# Allegro board buddy_lay_rev1.brd (continued)
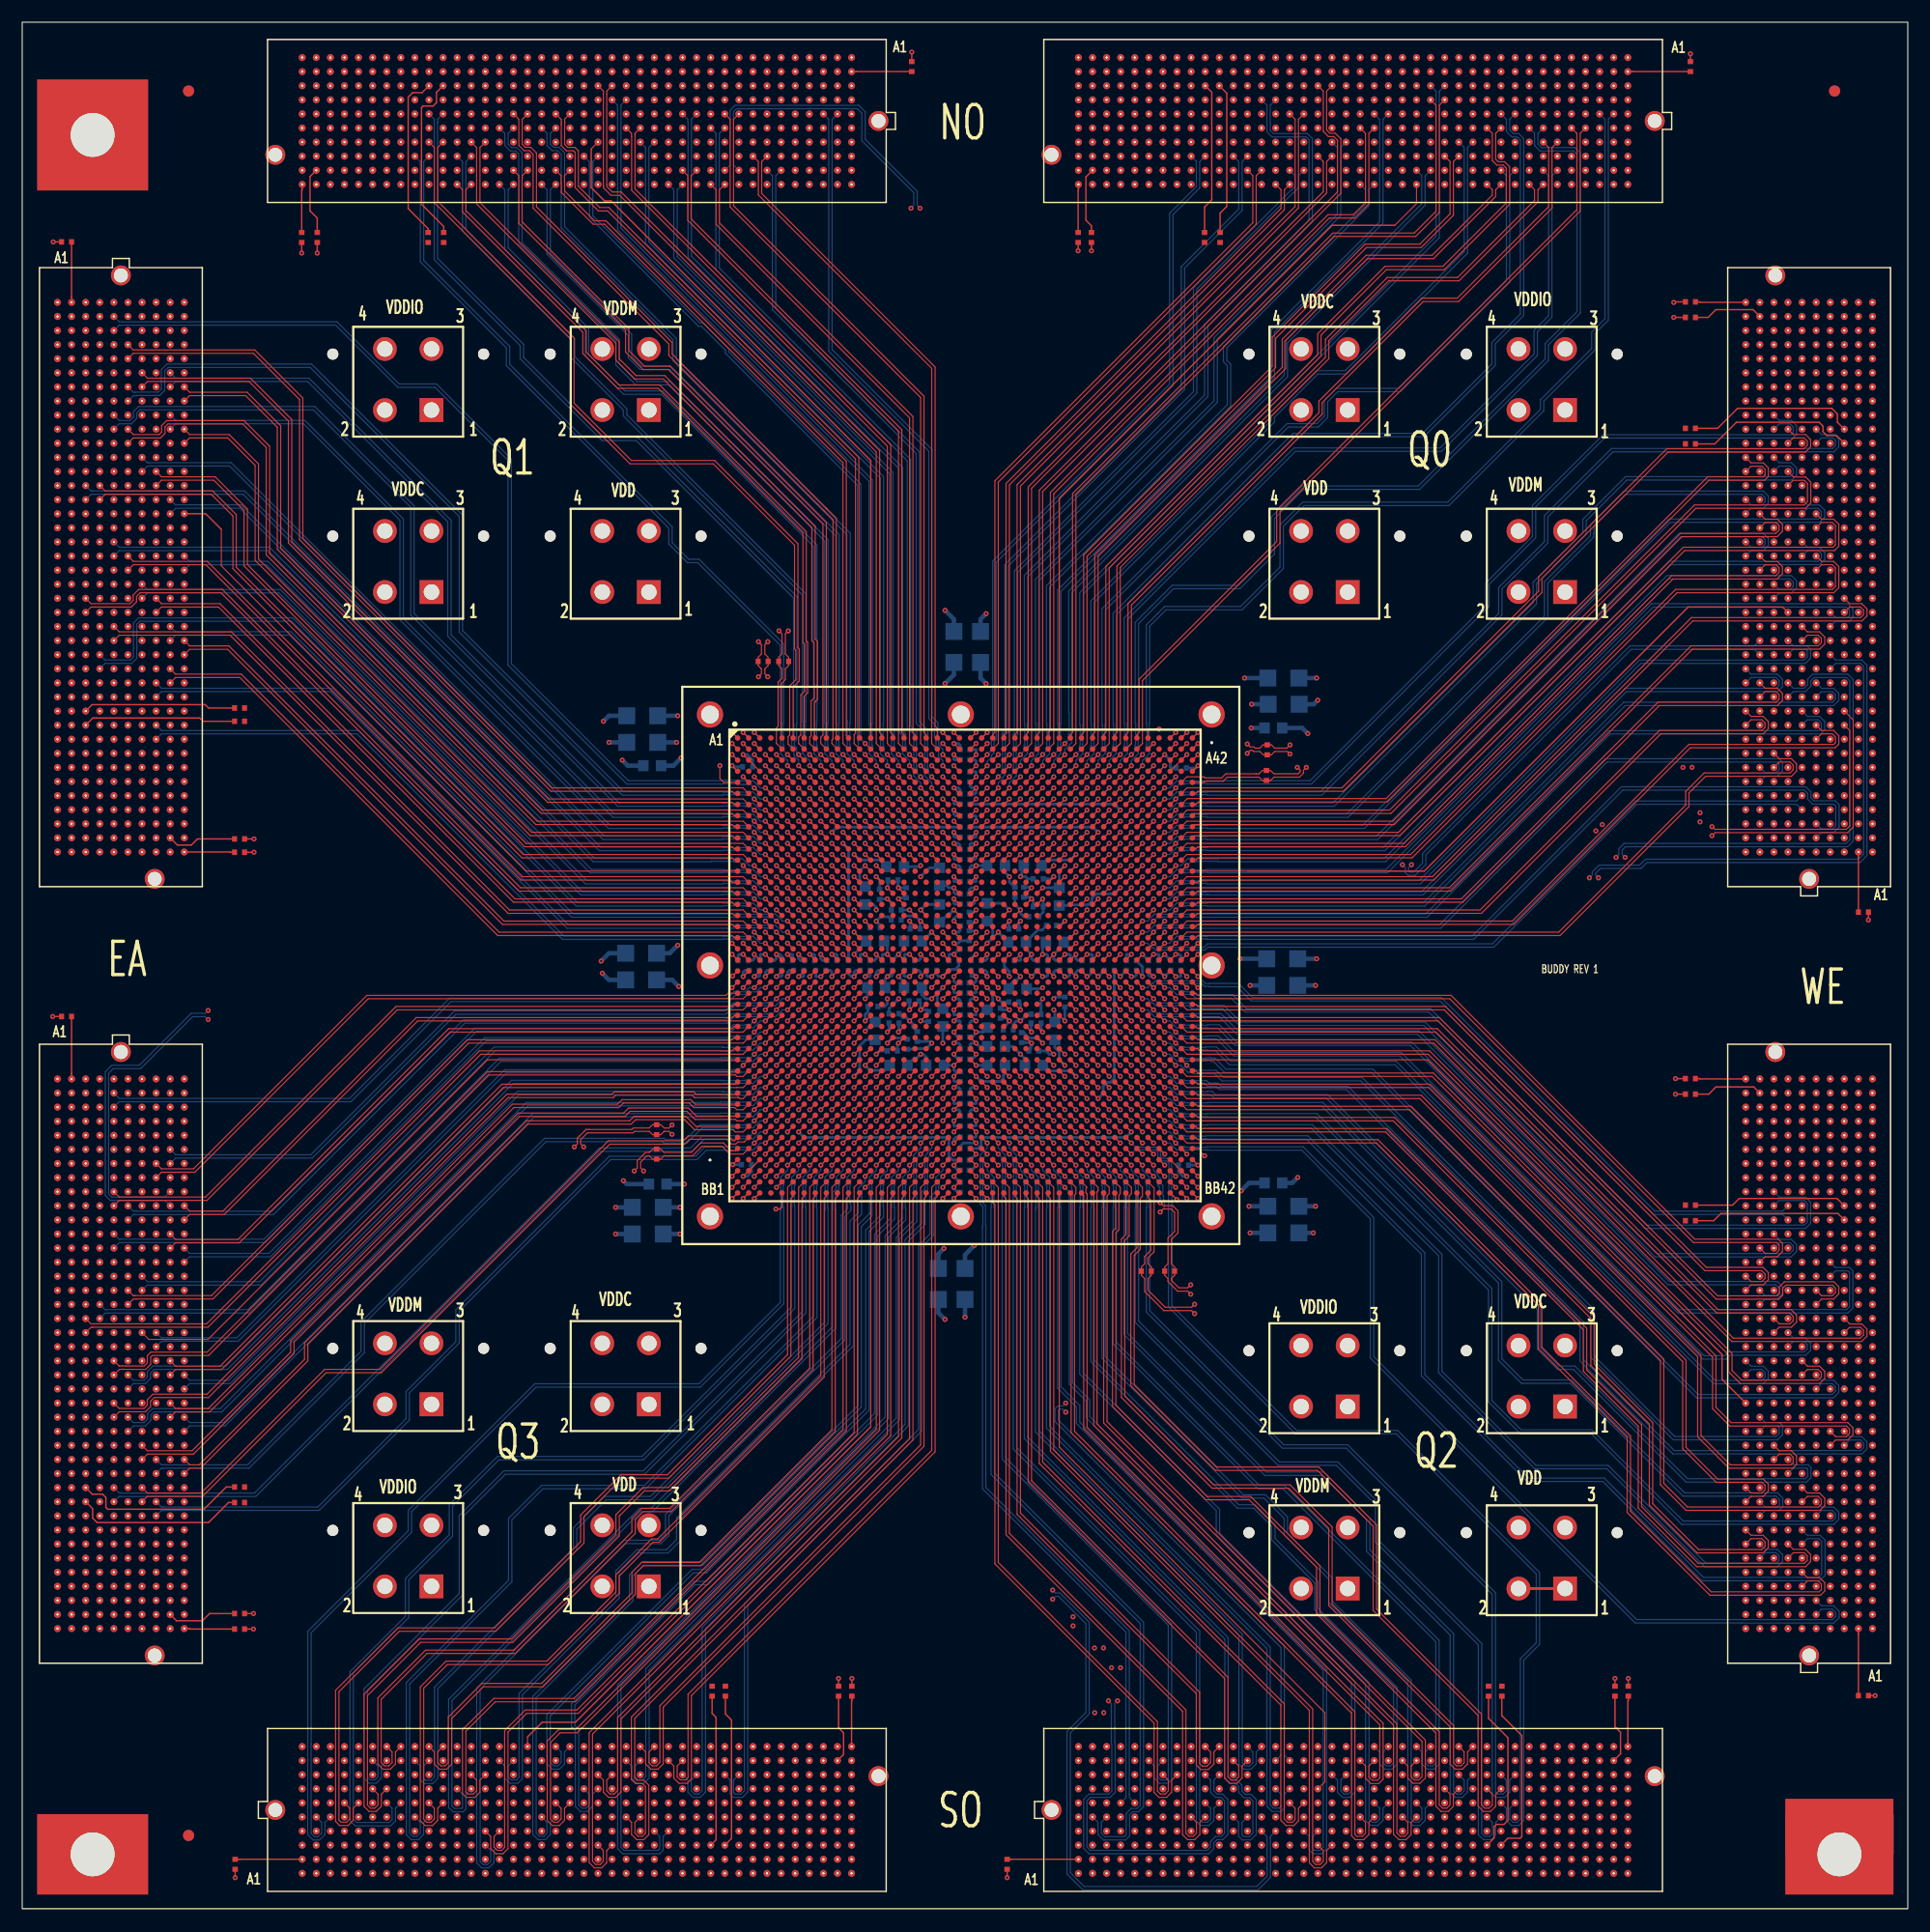
[diagram p0: board, top side]
## Routing (per net, layer and track width the routed paths; a pad name or vN(x,y) marks a point on that pad's centre or on a via; arc(x,y) is an arc through that point) (continued)
; 54.45,5.72 53.98,5.72 ; 54.45,5.72 54.93,5.72 ; 54.45,5.72 54.45,5.25 ; J8.A32 3.19,105.86 ; J8.A32 3.66,105.39 ; J8.A32 2.71,105.39 ; J8.A32 3.19,104.91 ; 139.68,9.54 140.15,9.54 ; 139.68,9.54 139.68,10.01 ; 139.68,9.54 139.68,9.06 ; 139.68,9.54 139.2,9.54 ; 12.07,29.85 J7.H36 ; J7.H36 12.07,30.8 ; J7.H36 12.55,30.32 ; J7.H36 11.6,30.32 ; 9.06,45.56 J7.F24 ; J7.F24 10.01,45.56 ; J7.F24 9.54,46.04 ; J7.F24 9.54,45.09 ; J8.D2 7,143.96 ; J8.D2 7.47,143.49 ; J8.D2 6.52,143.49 ; J8.D2 7,143.01 ; 157.93,34.93 J4.H9 ; J4.H9 157.45,35.4 ; J4.H9 158.4,35.4 ; J4.H9 157.93,35.88 ; 48.9,13.35 J6.J20 ; J6.J20 49.37,13.82 ; J6.J20 49.37,12.87 ; J6.J20 49.85,13.35 ; 164.28,74.3 J4.C40 ; J4.C40 163.8,74.77 ; J4.C40 164.28,75.25 ; J4.C40 164.75,74.77 ; 143.01,9.54 143.49,9.54 ; 143.49,9.54 143.96,9.54 ; 143.49,9.54 143.49,9.06 ; 143.49,9.54 143.49,10.01 ; 53.18,159.99 J1.F18 ; J1.F18 53.66,160.47 ; J1.F18 52.71,160.47 ; J1.F18 53.18,160.94 ; 11.6,104.12 J8.H33 ; J8.H33 12.07,104.59 ; J8.H33 12.07,103.64 ; J8.H33 12.55,104.12 ; J18.1 56.5,46.69 ; J18.1 57.74,45.45 ; J18.1 56.5,44.21 ; J18.1 55.26,45.45 ; 120.15,5.72 120.63,5.72 ; 120.63,5.72 120.63,6.2 ; 120.63,5.72 121.1,5.72 ; 120.63,5.72 120.63,5.25 ; 105.39,161.74 105.39,162.21 ; 105.39,161.74 105.86,161.74 ; 105.39,161.74 104.91,161.74 ; 105.39,161.74 105.39,161.26 ; J4.B27 165.54,58.74 ; J4.B27 165.07,58.26 ; J4.B27 166.02,58.26 ; J4.B27 165.54,57.79 ; J3.G4 159.67,99.04 ; J3.G4 158.72,99.04 ; J3.G4 159.19,99.51 ; J3.G4 159.19,98.56 ; J11.2 32.7,119.89 ; J11.2 33.94,118.65 ; J11.2 31.46,118.65 ; J11.2 32.7,117.41 ; 107.93,154.91 J2.K30 ; J2.K30 107.45,155.38 ; J2.K30 107.93,155.86 ; J2.K30 108.4,155.38 ; J3.C4 164.75,99.04 ; J3.C4 163.8,99.04 ; J3.C4 164.28,99.51 ; J3.C4 164.28,98.56 ; 46.83,161.74 47.31,161.74 ; 46.83,161.74 46.36,161.74 ; 46.83,161.74 46.83,161.26 ; 46.83,161.74 46.83,162.21 ; 56.99,159.99 J1.F15 ; J1.F15 56.52,160.47 ; J1.F15 56.99,160.94 ; J1.F15 57.47,160.47 ; 163.8,95.23 J3.C1 ; J3.C1 164.28,94.75 ; J3.C1 164.75,95.23 ; J3.C1 164.28,95.7 ; 60.33,10.8 J6.G29 ; J6.G29 61.28,10.8 ; J6.G29 60.8,11.28 ; J6.G29 60.8,10.33 ; J1.B10 63.82,165.54 ; J1.B10 63.34,166.02 ; J1.B10 63.34,165.07 ; J1.B10 62.87,165.54 ; 161.26,45.56 161.74,45.56 ; 161.74,45.56 162.21,45.56 ; 161.74,45.56 161.74,45.09 ; 161.74,45.56 161.74,46.04 ; J2.C21 119.36,164.75 ; J2.C21 119.36,163.8 ; J2.C21 119.83,164.28 ; J2.C21 118.88,164.28 ; J3.J20 157.13,119.36 ; J3.J20 156.66,118.88 ; J3.J20 156.66,119.83 ; J3.J20 156.18,119.36 ; J8.D28 7.47,110.47 ; J8.D28 7,110.94 ; J8.D28 7,109.99 ; J8.D28 6.52,110.47 ; 115.55,5.72 116.02,5.72 ; 115.55,5.72 115.07,5.72 ; 115.55,5.72 115.55,5.25 ; 115.55,5.72 115.55,6.2 ; J4.F3 160.94,27.78 ; J4.F3 160.47,28.26 ; J4.F3 160.47,27.31 ; J4.F3 159.99,27.78 ; 130.79,12.87 J5.J29 ; J5.J29 130.31,13.35 ; J5.J29 131.26,13.35 ; J5.J29 130.79,13.82 ; 100.31,5.72 100.78,5.72 ; 100.31,5.72 100.31,6.2 ; 100.31,5.72 99.83,5.72 ; 100.31,5.72 100.31,5.25 ; J1.B30 38.42,165.54 ; J1.B30 37.94,165.07 ; J1.B30 37.47,165.54 ; J1.B30 37.94,166.02 ; J7.A36 3.66,30.32 ; J7.A36 2.71,30.32 ; J7.A36 3.19,30.8 ; J7.A36 3.19,29.85 ; 32.7,27.81 J19.2 ; J19.2 33.94,29.05 ; J19.2 32.7,30.29 ; J19.2 31.46,29.05 ; 114.06,135.05 J13.2 ; J13.2 115.3,133.81 ; J13.2 116.54,135.05 ; J13.2 115.3,136.29 ; J7.G23 11.28,46.83 ; J7.G23 10.8,46.36 ; J7.G23 10.8,47.31 ; J7.G23 10.33,46.83 ; 5.25,74.77 5.72,74.77 ; 5.72,74.77 5.72,75.25 ; 5.72,74.77 5.72,74.3 ; 5.72,74.77 6.2,74.77 ; 156.18,130.79 J3.J29 ; J3.J29 156.66,130.31 ; J3.J29 156.66,131.26 ; J3.J29 157.13,130.79 ; J1.D7 67.15,163.48 ; J1.D7 66.68,163 ; J1.D7 67.63,163 ; J1.D7 67.15,162.53 ; 74.3,164.28 J1.C1 ; J1.C1 74.77,164.75 ; J1.C1 75.25,164.28 ; J1.C1 74.77,163.8 ; J6.H2 26.99,12.07 ; J6.H2 26.51,12.55 ; J6.H2 26.51,11.6 ; J6.H2 26.04,12.07 ; 155.38,96.02 J3.K2 ; J3.K2 155.86,96.5 ; J3.K2 155.38,96.97 ; J3.K2 154.91,96.5 ; J3.C20 164.75,119.36 ; J3.C20 163.8,119.36 ; J3.C20 164.28,118.88 ; J3.C20 164.28,119.83 ; J2.A28 110.47,167.29 ; J2.A28 109.99,166.81 ; J2.A28 110.47,166.34 ; J2.A28 110.94,166.81 ; J7.K30 14.62,38.42 ; J7.K30 14.62,37.47 ; J7.K30 14.14,37.94 ; J7.K30 15.09,37.94 ; J2.G40 95.23,159.67 ; J2.G40 95.7,159.19 ; J2.G40 94.75,159.19 ; J2.G40 95.23,158.72 ; J2.K18 123.64,155.38 ; J2.K18 123.17,154.91 ; J2.K18 123.17,155.86 ; J2.K18 122.69,155.38 ; 161.74,53.18 162.21,53.18 ; 161.74,53.18 161.74,52.71 ; 161.74,53.18 161.74,53.66 ; 161.74,53.18 161.26,53.18 ; 12.07,33.66 J7.H33 ; J7.H33 11.6,34.13 ; J7.H33 12.55,34.13 ; J7.H33 12.07,34.61 ; 27.31,7 J6.D3 ; J6.D3 28.26,7 ; J6.D3 27.78,6.52 ; J6.D3 27.78,7.47 ; 24.77,3.19 25.24,3.19 ; 25.24,3.19 25.24,3.66 ; 25.24,3.19 25.72,3.19 ; 25.24,3.19 25.24,2.71 ; 5.72,109.2 5.72,109.67 ; 5.72,109.2 5.25,109.2 ; 5.72,109.2 5.72,108.72 ; 5.72,109.2 6.2,109.2 ; J3.B27 165.54,128.72 ; J3.B27 165.07,128.25 ; J3.B27 166.02,128.25 ; J3.B27 165.54,127.77 ; J4.G29 159.67,60.8 ; J4.G29 158.72,60.8 ; J4.G29 159.19,60.33 ; J4.G29 159.19,61.28 ; 165.07,63.34 J4.B31 ; J4.B31 165.54,63.82 ; J4.B31 166.02,63.34 ; J4.B31 165.54,62.87 ; J7.H30 12.07,38.42 ; J7.H30 12.55,37.94 ; J7.H30 12.07,37.47 ; J7.H30 11.6,37.94 ; J5.D6 102.05,7 ; J5.D6 101.58,7.47 ; J5.D6 101.58,6.52 ; J5.D6 101.1,7 ; 166.34,29.05 J4.A4 ; J4.A4 166.81,28.58 ; J4.A4 167.29,29.05 ; J4.A4 166.81,29.53 ; 139.1,117.41 J16.1 ; J16.1 140.34,118.65 ; J16.1 137.86,118.65 ; J16.1 139.1,119.89 ; 3.19,124.44 3.19,124.91 ; 3.19,124.44 3.66,124.44 ; 3.19,124.44 3.19,123.96 ; 3.19,124.44 2.71,124.44 ; J8.E11 8.27,132.53 ; J8.E11 8.74,132.06 ; J8.E11 7.79,132.06 ; J8.E11 8.27,131.58 ; J1.F21 49.37,160.94 ; J1.F21 49.37,159.99 ; J1.F21 49.85,160.47 ; J1.F21 48.9,160.47 ; J8.K12 14.62,131.26 ; J8.K12 14.62,130.31 ; J8.K12 14.14,130.79 ; J8.K12 15.09,130.79 ; 29.85,13.35 30.32,13.35 ; 30.32,13.35 30.32,12.87 ; 30.32,13.35 30.8,13.35 ; 30.32,13.35 30.32,13.82 ; J5.D22 121.9,7.47 ; J5.D22 121.9,6.52 ; J5.D22 122.37,7 ; J5.D22 121.42,7 ; J3.F2 160.94,96.5 ; J3.F2 159.99,96.5 ; J3.F2 160.47,96.02 ; J3.F2 160.47,96.97 ; 73.5,7 73.98,7 ; 73.5,7 73.5,7.47 ; 73.5,7 73.5,6.52 ; 73.5,7 73.03,7 ; 43.02,165.07 J1.B26 ; J1.B26 42.55,165.54 ; J1.B26 43.02,166.02 ; J1.B26 43.5,165.54 ; J2.D2 143.96,163 ; J2.D2 143.01,163 ; J2.D2 143.49,162.53 ; J2.D2 143.49,163.48 ; J4.C25 164.75,55.72 ; J4.C25 164.28,55.25 ; J4.C25 164.28,56.2 ; J4.C25 163.8,55.72 ; 159.99,43.02 J4.F15 ; J4.F15 160.47,42.55 ; J4.F15 160.94,43.02 ; J4.F15 160.47,43.5 ; J9.1 38.14,135.05 ; J9.1 36.9,133.81 ; J9.1 36.9,136.29 ; J9.1 35.66,135.05 ; J5.K3 98.24,14.62 ; J5.K3 97.77,14.14 ; J5.K3 97.77,15.09 ; J5.K3 97.29,14.62 ; 134.9,117.41 J16.2 ; J16.2 136.14,118.65 ; J16.2 134.9,119.89 ; J16.2 133.66,118.65 ; 46.36,159.19 J1.G23 ; J1.G23 46.83,158.72 ; J1.G23 47.31,159.19 ; J1.G23 46.83,159.67 ; 35.4,3.19 35.88,3.19 ; 35.4,3.19 35.4,3.66 ; 35.4,3.19 34.93,3.19 ; 35.4,3.19 35.4,2.71 ; 100.31,157.45 J2.H36 ; J2.H36 99.83,157.93 ; J2.H36 100.78,157.93 ; J2.H36 100.31,158.4 ; J4.G20 159.19,49.85 ; J4.G20 159.67,49.37 ; J4.G20 159.19,48.9 ; J4.G20 158.72,49.37 ; 163.8,29.05 J4.C4 ; J4.C4 164.75,29.05 ; J4.C4 164.28,28.58 ; J4.C4 164.28,29.53 ; 161.74,34.13 161.74,34.61 ; 161.74,34.13 161.74,33.66 ; 161.74,34.13 161.26,34.13 ; 161.74,34.13 162.21,34.13 ; J2.F9 135.07,160.47 ; J2.F9 134.6,160.94 ; J2.F9 134.6,159.99 ; J2.F9 134.12,160.47 ; 3.19,115.55 3.19,116.02 ; 3.19,115.55 3.66,115.55 ; 3.19,115.55 3.19,115.07 ; 3.19,115.55 2.71,115.55 ; J4.K21 155.38,51.12 ; J4.K21 155.86,50.64 ; J4.K21 155.38,50.17 ; J4.K21 154.91,50.64 ; J8.B31 4.46,107.13 ; J8.B31 4.93,106.66 ; J8.B31 4.46,106.18 ; J8.B31 3.98,106.66 ; J4.J11 157.13,37.94 ; J4.J11 156.66,38.42 ; J4.J11 156.18,37.94 ; J4.J11 156.66,37.47 ; 163,26.04 J4.D2 ; J4.D2 162.53,26.51 ; J4.D2 163,26.99 ; J4.D2 163.48,26.51 ; 9.54,118.88 J8.F21 ; J8.F21 9.06,119.36 ; J8.F21 10.01,119.36 ; J8.F21 9.54,119.83 ; J8.D10 7.47,133.33 ; J8.D10 6.52,133.33 ; J8.D10 7,133.8 ; J8.D10 7,132.85 ; 141.74,155.38 J2.K3 ; J2.K3 142.22,154.91 ; J2.K3 142.22,155.86 ; J2.K3 142.69,155.38 ; J2.J1 144.76,157.13 ; J2.J1 144.76,156.18 ; J2.J1 145.23,156.66 ; J2.J1 144.28,156.66 ; 2.71,134.6 3.19,134.6 ; 3.19,134.6 3.19,134.12 ; 3.19,134.6 3.66,134.6 ; 3.19,134.6 3.19,135.07 ; J4.A17 166.81,46.04 ; J4.A17 166.81,45.09 ; J4.A17 166.34,45.56 ; J4.A17 167.29,45.56 ; 10.33,50.64 J7.G20 ; J7.G20 10.8,50.17 ; J7.G20 10.8,51.12 ; J7.G20 11.28,50.64 ; 4.46,26.51 4.93,26.51 ; 4.46,26.51 4.46,26.99 ; 4.46,26.51 4.46,26.04 ; 4.46,26.51 3.98,26.51 ; J5.H18 117.29,12.07 ; J5.H18 116.34,12.07 ; J5.H18 116.82,12.55 ; J5.H18 116.82,11.6 ; 104.91,3.19 105.39,3.19 ; 105.39,3.19 105.39,2.71 ; 105.39,3.19 105.86,3.19 ; 105.39,3.19 105.39,3.66 ; 105.39,14.14 J5.K9 ; J5.K9 105.86,14.62 ; J5.K9 105.39,15.09 ; J5.K9 104.91,14.62 ; 47.63,4.46 J6.B19 ; J6.B19 48.1,4.93 ; J6.B19 48.58,4.46 ; J6.B19 48.1,3.98 ; 166.81,109.99 J3.A13 ; J3.A13 167.29,110.47 ; J3.A13 166.34,110.47 ; J3.A13 166.81,110.94 ; J8.G38 11.28,97.77 ; J8.G38 10.8,98.24 ; J8.G38 10.8,97.29 ; J8.G38 10.33,97.77 ; J1.J17 54.45,157.13 ; J1.J17 53.98,156.66 ; J1.J17 54.45,156.18 ; J1.J17 54.93,156.66 ; 110.47,5.72 110.47,6.2 ; 110.47,5.72 110.94,5.72 ; 110.47,5.72 110.47,5.25 ; 110.47,5.72 109.99,5.72 ; 99.04,3.19 99.51,3.19 ; 99.04,3.19 99.04,3.66 ; 99.04,3.19 98.56,3.19 ; 99.04,3.19 99.04,2.71 ; J7.J29 13.35,39.69 ; J7.J29 13.82,39.21 ; J7.J29 13.35,38.74 ; J7.J29 12.87,39.21 ; 135.87,158.72 J2.G8 ; J2.G8 136.34,159.19 ; J2.G8 135.87,159.67 ; J2.G8 135.39,159.19 ; 27.31,4.46 J6.B3 ; J6.B3 27.78,4.93 ; J6.B3 28.26,4.46 ; J6.B3 27.78,3.98 ; 68.42,154.91 J1.K6 ; J1.K6 68.9,155.38 ; J1.K6 68.42,155.86 ; J1.K6 67.95,155.38 ; 126.98,12.87 J5.J26 ; J5.J26 126.98,13.82 ; J5.J26 127.45,13.35 ; J5.J26 126.5,13.35 ; J3.A32 167.29,134.6 ; J3.A32 166.81,135.07 ; J3.A32 166.81,134.12 ; J3.A32 166.34,134.6 ; J5.D2 96.97,7 ; J5.D2 96.5,7.47 ; J5.D2 96.5,6.52 ; J5.D2 96.02,7 ; 130.31,5.72 J5.C29 ; J5.C29 130.79,6.2 ; J5.C29 130.79,5.25 ; J5.C29 131.26,5.72 ; 100.31,163.8 J2.C36 ; J2.C36 99.83,164.28 ; J2.C36 100.78,164.28 ; J2.C36 100.31,164.75 ; J3.A25 167.29,125.71 ; J3.A25 166.34,125.71 ; J3.A25 166.81,125.23 ; J3.A25 166.81,126.18 ; 144.76,158.72 J2.G1 ; J2.G1 144.76,159.67 ; J2.G1 144.28,159.19 ; J2.G1 145.23,159.19 ; J6.D19 48.1,7.47 ; J6.D19 47.63,7 ; J6.D19 48.58,7 ; J6.D19 48.1,6.52 ; J4.D39 163,73.98 ; J4.D39 163,73.03 ; J4.D39 162.53,73.5 ; J4.D39 163.48,73.5 ; 3.19,135.87 3.66,135.87 ; 3.19,135.87 3.19,135.39 ; 3.19,135.87 2.71,135.87 ; 3.19,135.87 3.19,136.34 ; 6.52,125.71 J8.D16 ; J8.D16 7.47,125.71 ; J8.D16 7,126.18 ; J8.D16 7,125.23 ; 25.24,161.74 25.72,161.74 ; 25.24,161.74 25.24,162.21 ; 25.24,161.74 24.77,161.74 ; 25.24,161.74 25.24,161.26 ; 46.36,12.07 J6.H18 ; J6.H18 46.83,12.55 ; J6.H18 46.83,11.6 ; J6.H18 47.31,12.07 ; 29.05,7.79 29.05,8.27 ; 29.05,8.27 28.58,8.27 ; 29.05,8.27 29.05,8.74 ; 29.05,8.27 29.53,8.27 ; 5.72,125.71 5.72,126.18 ; 5.72,125.71 5.72,125.23 ; 5.72,125.71 6.2,125.71 ; 5.72,125.71 5.25,125.71 ; J3.G8 159.67,104.12 ; J3.G8 159.19,103.64 ; J3.G8 159.19,104.59 ; J3.G8 158.72,104.12 ; J4.G35 159.19,68.9 ; J4.G35 159.19,67.95 ; J4.G35 159.67,68.42 ; J4.G35 158.72,68.42 ; 8.27,27.31 J7.E38 ; J7.E38 7.79,27.78 ; J7.E38 8.27,28.26 ; J7.E38 8.74,27.78 ; 161.26,100.31 161.74,100.31 ; 161.74,100.31 161.74,99.83 ; 161.74,100.31 162.21,100.31 ; 161.74,100.31 161.74,100.78 ; J2.H9 135.07,157.93 ; J2.H9 134.6,158.4 ; J2.H9 134.6,157.45 ; J2.H9 134.12,157.93 ; 158.72,53.18 J4.G23 ; J4.G23 159.19,53.66 ; J4.G23 159.67,53.18 ; J4.G23 159.19,52.71 ; J4.H27 157.93,58.74 ; J4.H27 157.93,57.79 ; J4.H27 158.4,58.26 ; J4.H27 157.45,58.26 ; J3.G17 159.19,116.02 ; J3.G17 158.72,115.55 ; J3.G17 159.19,115.07 ; J3.G17 159.67,115.55 ; 166.34,69.69 J4.A36 ; J4.A36 166.81,70.17 ; J4.A36 166.81,69.22 ; J4.A36 167.29,69.69 ; 3.19,103.64 J8.A33 ; J8.A33 3.66,104.12 ; J8.A33 3.19,104.59 ; J8.A33 2.71,104.12 ; 163,125.23 J3.D25 ; J3.D25 162.53,125.71 ; J3.D25 163,126.18 ; J3.D25 163.48,125.71 ; 60.8,163.8 J1.C12 ; J1.C12 61.28,164.28 ; J1.C12 60.33,164.28 ; J1.C12 60.8,164.75 ; J3.A17 166.81,116.02 ; J3.A17 166.34,115.55 ; J3.A17 167.29,115.55 ; J3.A17 166.81,115.07 ; J2.J20 120.63,157.13 ; J2.J20 120.15,156.66 ; J2.J20 121.1,156.66 ; J2.J20 120.63,156.18 ; J7.B10 4.93,63.34 ; J7.B10 4.46,62.87 ; J7.B10 3.98,63.34 ; J7.B10 4.46,63.82 ; 12.87,116.82 J8.J23 ; J8.J23 13.35,116.34 ; J8.J23 13.82,116.82 ; J8.J23 13.35,117.29 ; 2.71,130.79 3.19,130.79 ; 3.19,130.79 3.66,130.79 ; 3.19,130.79 3.19,130.31 ; 3.19,130.79 3.19,131.26 ; J4.D22 163.48,51.91 ; J4.D22 162.53,51.91 ; J4.D22 163,52.39 ; J4.D22 163,51.44 ; J2.B27 111.74,166.02 ; J2.B27 112.21,165.54 ; J2.B27 111.74,165.07 ; J2.B27 111.26,165.54 ; 6.52,51.91 J7.D19 ; J7.D19 7,52.39 ; J7.D19 7.47,51.91 ; J7.D19 7,51.44 ; 27.78,156.18 J1.J38 ; J1.J38 27.78,157.13 ; J1.J38 28.26,156.66 ; J1.J38 27.31,156.66 ; J7.K18 14.62,53.66 ; J7.K18 14.14,53.18 ; J7.K18 15.09,53.18 ; J7.K18 14.62,52.71 ; 56.52,165.54 J1.B15 ; J1.B15 57.47,165.54 ; J1.B15 56.99,166.02 ; J1.B15 56.99,165.07 ; 10.8,65.88 10.8,66.36 ; 10.8,65.88 10.33,65.88 ; 10.8,65.88 11.28,65.88 ; 10.8,65.88 10.8,65.41 ; 3.19,109.2 3.19,109.67 ; 3.19,109.2 3.19,108.72 ; 3.19,109.2 3.66,109.2 ; 3.19,109.2 2.71,109.2 ; J6.E38 72.71,8.27 ; J6.E38 72.23,8.74 ; J6.E38 72.23,7.79 ; J6.E38 71.76,8.27 ; 67.95,165.54 J1.B6 ; J1.B6 68.42,165.07 ; J1.B6 68.42,166.02 ; J1.B6 68.9,165.54 ; 161.74,29.05 162.21,29.05 ; 161.74,29.05 161.26,29.05 ; 161.74,29.05 161.74,28.58 ; 161.74,29.05 161.74,29.53 ; 162.53,31.59 J4.D6 ; J4.D6 163.48,31.59 ; J4.D6 163,32.07 ; J4.D6 163,31.12 ; 5.25,65.88 5.72,65.88 ; 5.72,65.88 5.72,66.36 ; 5.72,65.88 6.2,65.88 ; 5.72,65.88 5.72,65.41 ; 158.72,25.24 J4.G1 ; J4.G1 159.19,24.77 ; J4.G1 159.67,25.24 ; J4.G1 159.19,25.72 ; 9.54,52.71 J7.F18 ; J7.F18 9.06,53.18 ; J7.F18 9.54,53.66 ; J7.F18 10.01,53.18 ; 9.06,56.99 J7.F15 ; J7.F15 9.54,56.52 ; J7.F15 10.01,56.99 ; J7.F15 9.54,57.47 ; 10.8,70.96 10.8,71.44 ; 10.8,70.96 10.8,70.49 ; 10.8,70.96 11.28,70.96 ; 10.8,70.96 10.33,70.96 ; 45.09,164.28 J1.C24 ; J1.C24 45.56,163.8 ; J1.C24 46.04,164.28 ; J1.C24 45.56,164.75 ; 131.58,161.74 132.06,161.74 ; 132.06,161.74 132.06,161.26 ; 132.06,161.74 132.53,161.74 ; 132.06,161.74 132.06,162.21 ; 161.74,130.31 161.74,130.79 ; 161.74,130.79 161.74,131.26 ; 161.74,130.79 162.21,130.79 ; 161.74,130.79 161.26,130.79 ; 100.31,7.79 100.31,8.27 ; 100.31,8.27 100.78,8.27 ; 100.31,8.27 100.31,8.74 ; 100.31,8.27 99.83,8.27 ; 122.69,13.35 J5.J23 ; J5.J23 123.17,12.87 ; J5.J23 123.17,13.82 ; J5.J23 123.64,13.35 ; 165.54,132.85 J3.B31 ; J3.B31 165.54,133.8 ; J3.B31 165.07,133.33 ; J3.B31 166.02,133.33 ; J1.F27 41.75,160.94 ; J1.F27 41.75,159.99 ; J1.F27 41.28,160.47 ; J1.F27 42.23,160.47 ; 58.26,14.14 58.26,14.62 ; 58.26,14.62 58.26,15.09 ; 58.26,14.62 57.79,14.62 ; 58.26,14.62 58.74,14.62 ; 50.17,9.54 J6.F21 ; J6.F21 50.64,9.06 ; J6.F21 51.12,9.54 ; J6.F21 50.64,10.01 ; 53.18,12.87 J6.J23 ; J6.J23 52.71,13.35 ; J6.J23 53.18,13.82 ; J6.J23 53.66,13.35 ; 13.35,61.6 J7.J11 ; J7.J11 13.82,62.07 ; J7.J11 13.35,62.55 ; J7.J11 12.87,62.07 ; 34.13,166.34 J1.A33 ; J1.A33 34.13,167.29 ; J1.A33 33.66,166.81 ; J1.A33 34.61,166.81 ; 120.63,166.34 J2.A20 ; J2.A20 121.1,166.81 ; J2.A20 120.15,166.81 ; J2.A20 120.63,167.29 ; J7.G29 10.8,39.69 ; J7.G29 10.8,38.74 ; J7.G29 11.28,39.21 ; J7.G29 10.33,39.21 ; 53.98,161.74 54.45,161.74 ; 54.45,161.74 54.45,162.21 ; 54.45,161.74 54.93,161.74 ; 54.45,161.74 54.45,161.26 ; J7.D6 7,68.9 ; J7.D6 7,67.95 ; J7.D6 6.52,68.42 ; J7.D6 7.47,68.42 ; 118.88,155.38 J2.K21 ; J2.K21 119.36,155.86 ; J2.K21 119.83,155.38 ; J2.K21 119.36,154.91 ; 47.63,165.54 J1.B22 ; J1.B22 48.1,165.07 ; J1.B22 48.1,166.02 ; J1.B22 48.58,165.54 ; 71.76,10.8 J6.G38 ; J6.G38 72.23,10.33 ; J6.G38 72.71,10.8 ; J6.G38 72.23,11.28 ; J2.G20 121.1,159.19 ; J2.G20 120.63,158.72 ; J2.G20 120.63,159.67 ; J2.G20 120.15,159.19 ; J6.C40 74.77,6.2 ; J6.C40 74.77,5.25 ; J6.C40 75.25,5.72 ; J6.C40 74.3,5.72 ; J4.C16 164.75,44.29 ; J4.C16 164.28,43.82 ; J4.C16 164.28,44.77 ; J4.C16 163.8,44.29 ; 160.47,97.29 J3.F3 ; J3.F3 160.47,98.24 ; J3.F3 159.99,97.77 ; J3.F3 160.94,97.77 ; 12.07,107.45 J8.H30 ; J8.H30 12.55,107.93 ; J8.H30 11.6,107.93 ; J8.H30 12.07,108.4 ; 129.52,2.71 J5.A28 ; J5.A28 129.52,3.66 ; J5.A28 129.99,3.19 ; J5.A28 129.04,3.19 ; 9.54,34.13 10.01,34.13 ; 9.54,34.13 9.06,34.13 ; 9.54,34.13 9.54,33.66 ; 9.54,34.13 9.54,34.61 ; 7,113.8 J8.D25 ; J8.D25 7,114.75 ; J8.D25 6.52,114.28 ; J8.D25 7.47,114.28 ; J7.B18 4.46,53.66 ; J7.B18 4.93,53.18 ; J7.B18 3.98,53.18 ; J7.B18 4.46,52.71 ; 38.74,5.72 39.21,5.72 ; 39.21,5.72 39.69,5.72 ; 39.21,5.72 39.21,5.25 ; 39.21,5.72 39.21,6.2 ; 134.6,10.33 J5.G32 ; J5.G32 134.6,11.28 ; J5.G32 135.07,10.8 ; J5.G32 134.12,10.8 ; 3.98,102.85 4.46,102.85 ; 4.46,102.85 4.46,102.37 ; 4.46,102.85 4.46,103.32 ; 4.46,102.85 4.93,102.85 ; 12.87,101.58 J8.J35 ; J8.J35 13.82,101.58 ; J8.J35 13.35,101.1 ; J8.J35 13.35,102.05 ; 140.95,158.72 J2.G4 ; J2.G4 140.95,159.67 ; J2.G4 140.47,159.19 ; J2.G4 141.42,159.19 ; 11.6,126.98 J8.H15 ; J8.H15 12.07,127.45 ; J8.H15 12.55,126.98 ; J8.H15 12.07,126.5 ; 45.56,3.19 45.56,3.66 ; 45.56,3.19 45.09,3.19 ; 45.56,3.19 46.04,3.19 ; 45.56,3.19 45.56,2.71 ; 10.8,31.12 J7.G35 ; J7.G35 10.8,32.07 ; J7.G35 10.33,31.59 ; J7.G35 11.28,31.59 ; J3.D19 163,118.56 ; J3.D19 162.53,118.09 ; J3.D19 163.48,118.09 ; J3.D19 163,117.61 ; 165.54,56.52 J4.B26 ; J4.B26 166.02,56.99 ; J4.B26 165.54,57.47 ; J4.B26 165.07,56.99 ; 29.85,157.93 J1.H36 ; J1.H36 30.32,157.45 ; J1.H36 30.32,158.4 ; J1.H36 30.8,157.93 ; 3.19,114.28 3.66,114.28 ; 3.19,114.28 2.71,114.28 ; 3.19,114.28 3.19,114.75 ; 3.19,114.28 3.19,113.8 ; 31.12,14.62 J6.K6 ; J6.K6 31.59,14.14 ; J6.K6 31.59,15.09 ; J6.K6 32.07,14.62 ; J3.K6 155.38,102.05 ; J3.K6 155.86,101.58 ; J3.K6 155.38,101.1 ; J3.K6 154.91,101.58 ; J6.H36 69.69,12.55 ; J6.H36 69.22,12.07 ; J6.H36 69.69,11.6 ; J6.H36 70.17,12.07 ; 40.01,163 J1.D28 ; J1.D28 40.48,162.53 ; J1.D28 40.96,163 ; J1.D28 40.48,163.48 ; 100.31,13.35 100.31,13.82 ; 100.31,13.35 100.78,13.35 ; 100.31,13.35 100.31,12.87 ; 100.31,13.35 99.83,13.35 ; J1.F36 30.8,160.47 ; J1.F36 30.32,160.94 ; J1.F36 29.85,160.47 ; J1.F36 30.32,159.99 ; J1.K2 73.98,155.38 ; J1.K2 73.03,155.38 ; J1.K2 73.5,154.91 ; J1.K2 73.5,155.86 ; 9.54,30.32 9.54,30.8 ; 9.54,30.32 9.06,30.32 ; 9.54,30.32 9.54,29.85 ; 9.54,30.32 10.01,30.32 ; J1.B3 72.23,166.02 ; J1.B3 72.71,165.54 ; J1.B3 71.76,165.54 ; J1.B3 72.23,165.07 ; 127.77,161.74 128.25,161.74 ; 128.25,161.74 128.25,162.21 ; 128.25,161.74 128.25,161.26 ; 128.25,161.74 128.72,161.74 ; 94.75,3.19 95.23,3.19 ; 95.23,3.19 95.23,2.71 ; 95.23,3.19 95.7,3.19 ; 95.23,3.19 95.23,3.66 ; J4.H39 158.4,73.5 ; J4.H39 157.93,73.03 ; J4.H39 157.93,73.98 ; J4.H39 157.45,73.5 ; 74.77,161.74 75.25,161.74 ; 74.77,161.74 74.3,161.74 ; 74.77,161.74 74.77,161.26 ; 74.77,161.74 74.77,162.21 ; J6.A37 70.96,3.66 ; J6.A37 71.44,3.19 ; J6.A37 70.49,3.19 ; J6.A37 70.96,2.71 ; 53.98,3.19 54.45,3.19 ; 54.45,3.19 54.93,3.19 ; 54.45,3.19 54.45,3.66 ; 54.45,3.19 54.45,2.71 ; 71.76,163 J1.D3 ; J1.D3 72.23,162.53 ; J1.D3 72.71,163 ; J1.D3 72.23,163.48 ; 3.19,50.64 3.19,51.12 ; 3.19,50.64 3.19,50.17 ; 3.19,50.64 3.66,50.64 ; 3.19,50.64 2.71,50.64 ; 161.74,95.23 162.21,95.23 ; 161.74,95.23 161.26,95.23 ; 161.74,95.23 161.74,95.7 ; 161.74,95.23 161.74,94.75 ; 135.39,161.74 135.87,161.74 ; 135.87,161.74 135.87,161.26 ; 135.87,161.74 136.34,161.74 ; 135.87,161.74 135.87,162.21 ; J7.A33 3.66,34.13 ; J7.A33 3.19,34.61 ; J7.A33 2.71,34.13 ; J7.A33 3.19,33.66 ; 74.77,10.33 J6.G40 ; J6.G40 75.25,10.8 ; J6.G40 74.3,10.8 ; J6.G40 74.77,11.28 ; J7.E32 8.27,35.88 ; J7.E32 8.27,34.93 ; J7.E32 7.79,35.4 ; J7.E32 8.74,35.4 ; 157.45,101.58 J3.H6 ; J3.H6 158.4,101.58 ; J3.H6 157.93,102.05 ; J3.H6 157.93,101.1 ; 14.62,122.69 J8.K18 ; J8.K18 14.14,123.17 ; J8.K18 14.62,123.64 ; J8.K18 15.09,123.17 ; 8.27,94.75 J8.E40 ; J8.E40 7.79,95.23 ; J8.E40 8.74,95.23 ; J8.E40 8.27,95.7 ; 157.93,46.36 J4.H18 ; J4.H18 158.4,46.83 ; J4.H18 157.93,47.31 ; J4.H18 157.45,46.83 ; 140.47,156.66 J2.J4 ; J2.J4 141.42,156.66 ; J2.J4 140.95,157.13 ; J2.J4 140.95,156.18 ; 156.18,53.18 J4.J23 ; J4.J23 